# Altium PCB UmSELv1.PcbDoc (part 1 of 2)
Units mm, origin at the board's own origin, x right, y up, seen from the top; angles counter-clockwise.
Board outline 50 x 99.5 mm, 4 copper layers (Top Layer, InternalPlane, Internal1, Bottom Layer), stack 1.435 mm thick; 247 components, 137 nets, 739 pads, 494 vias.
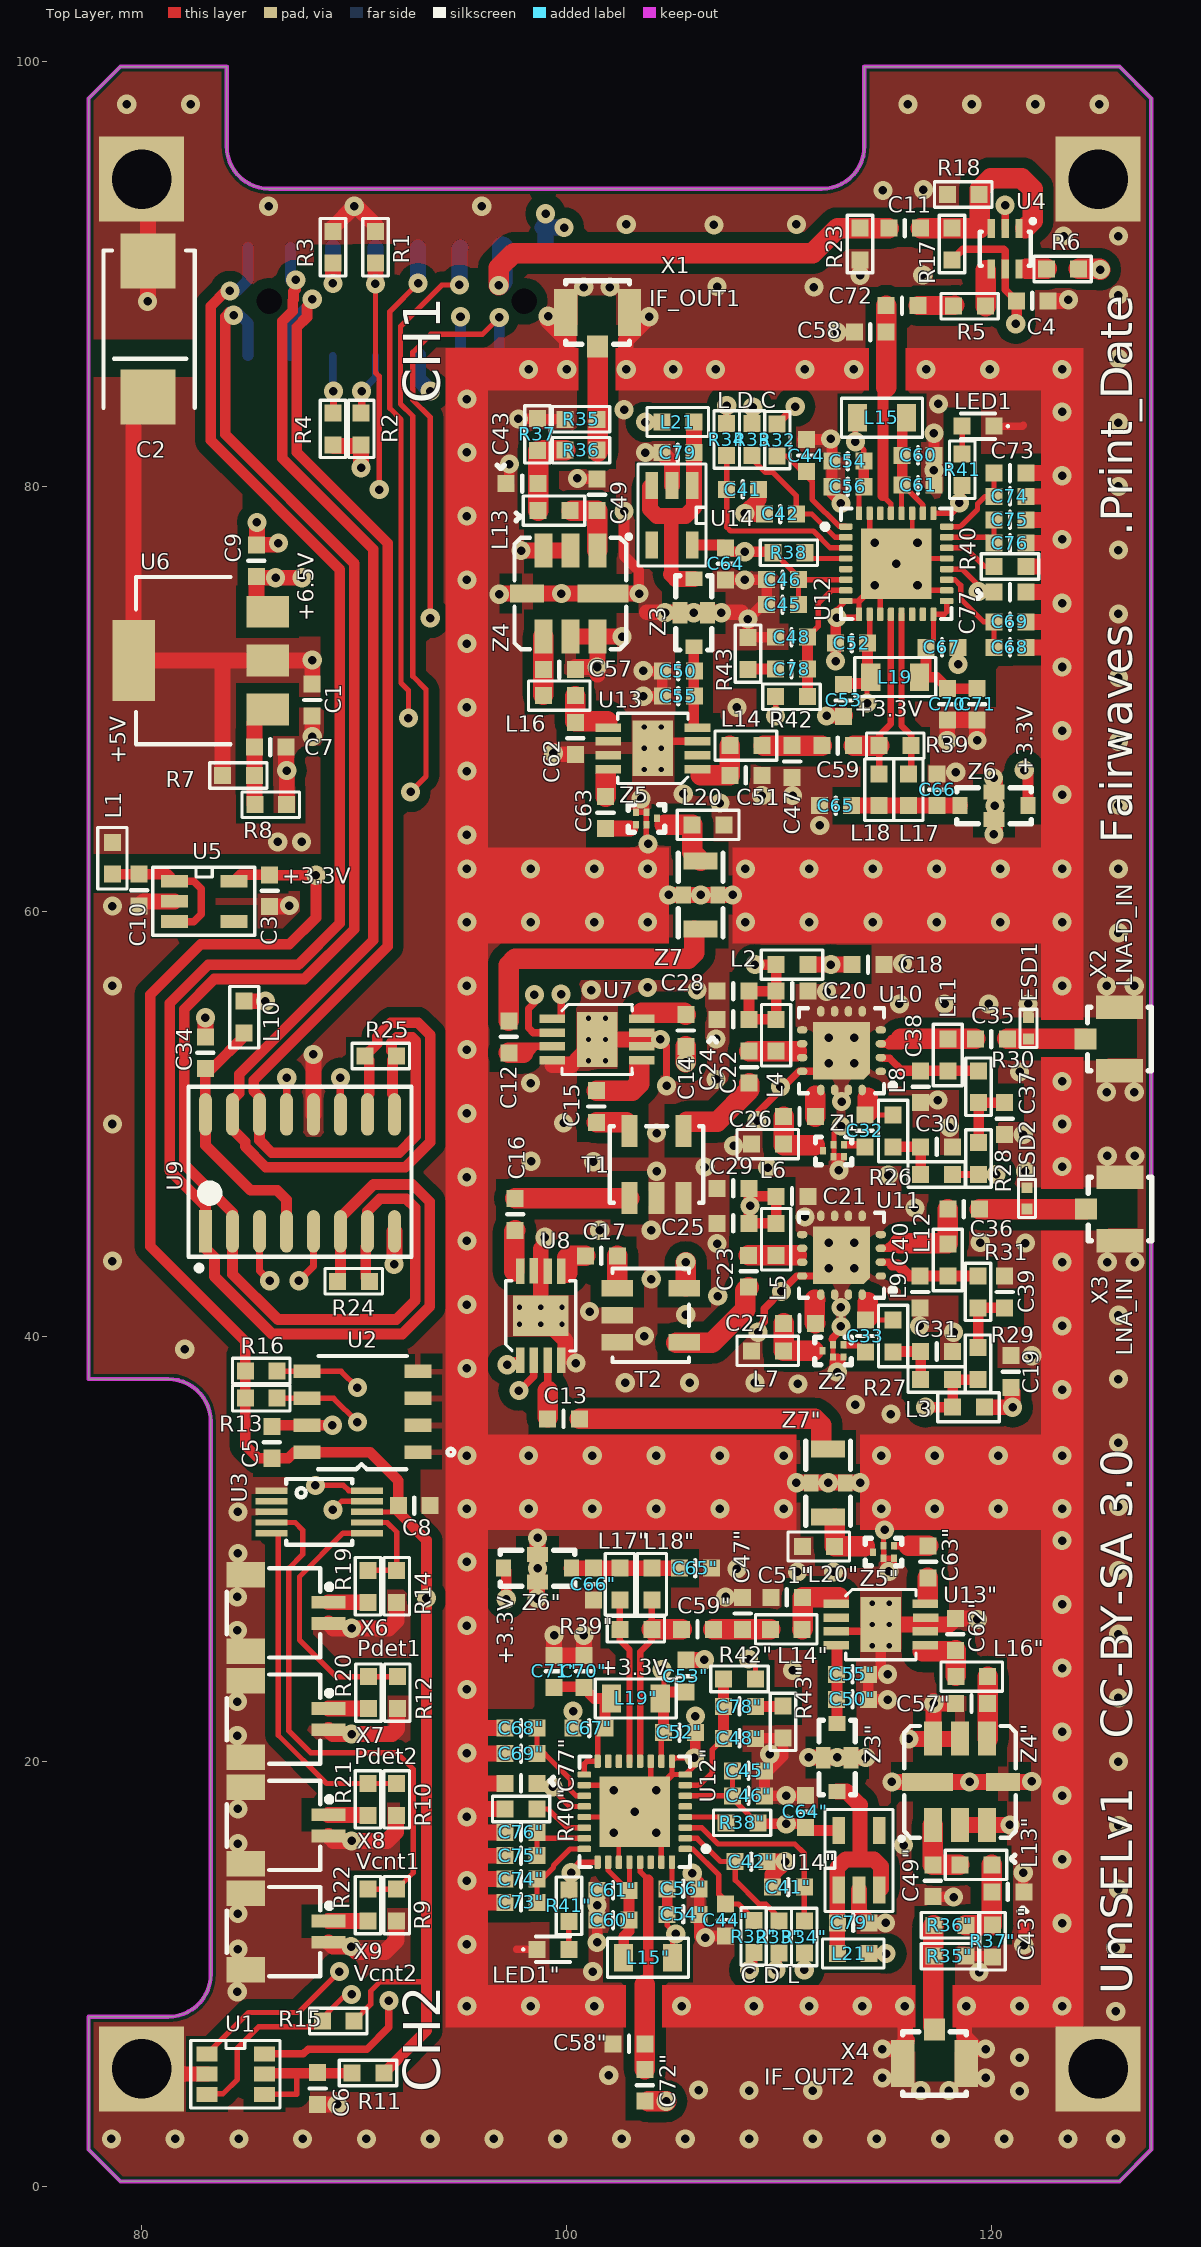
[diagram p0: Top Layer view]
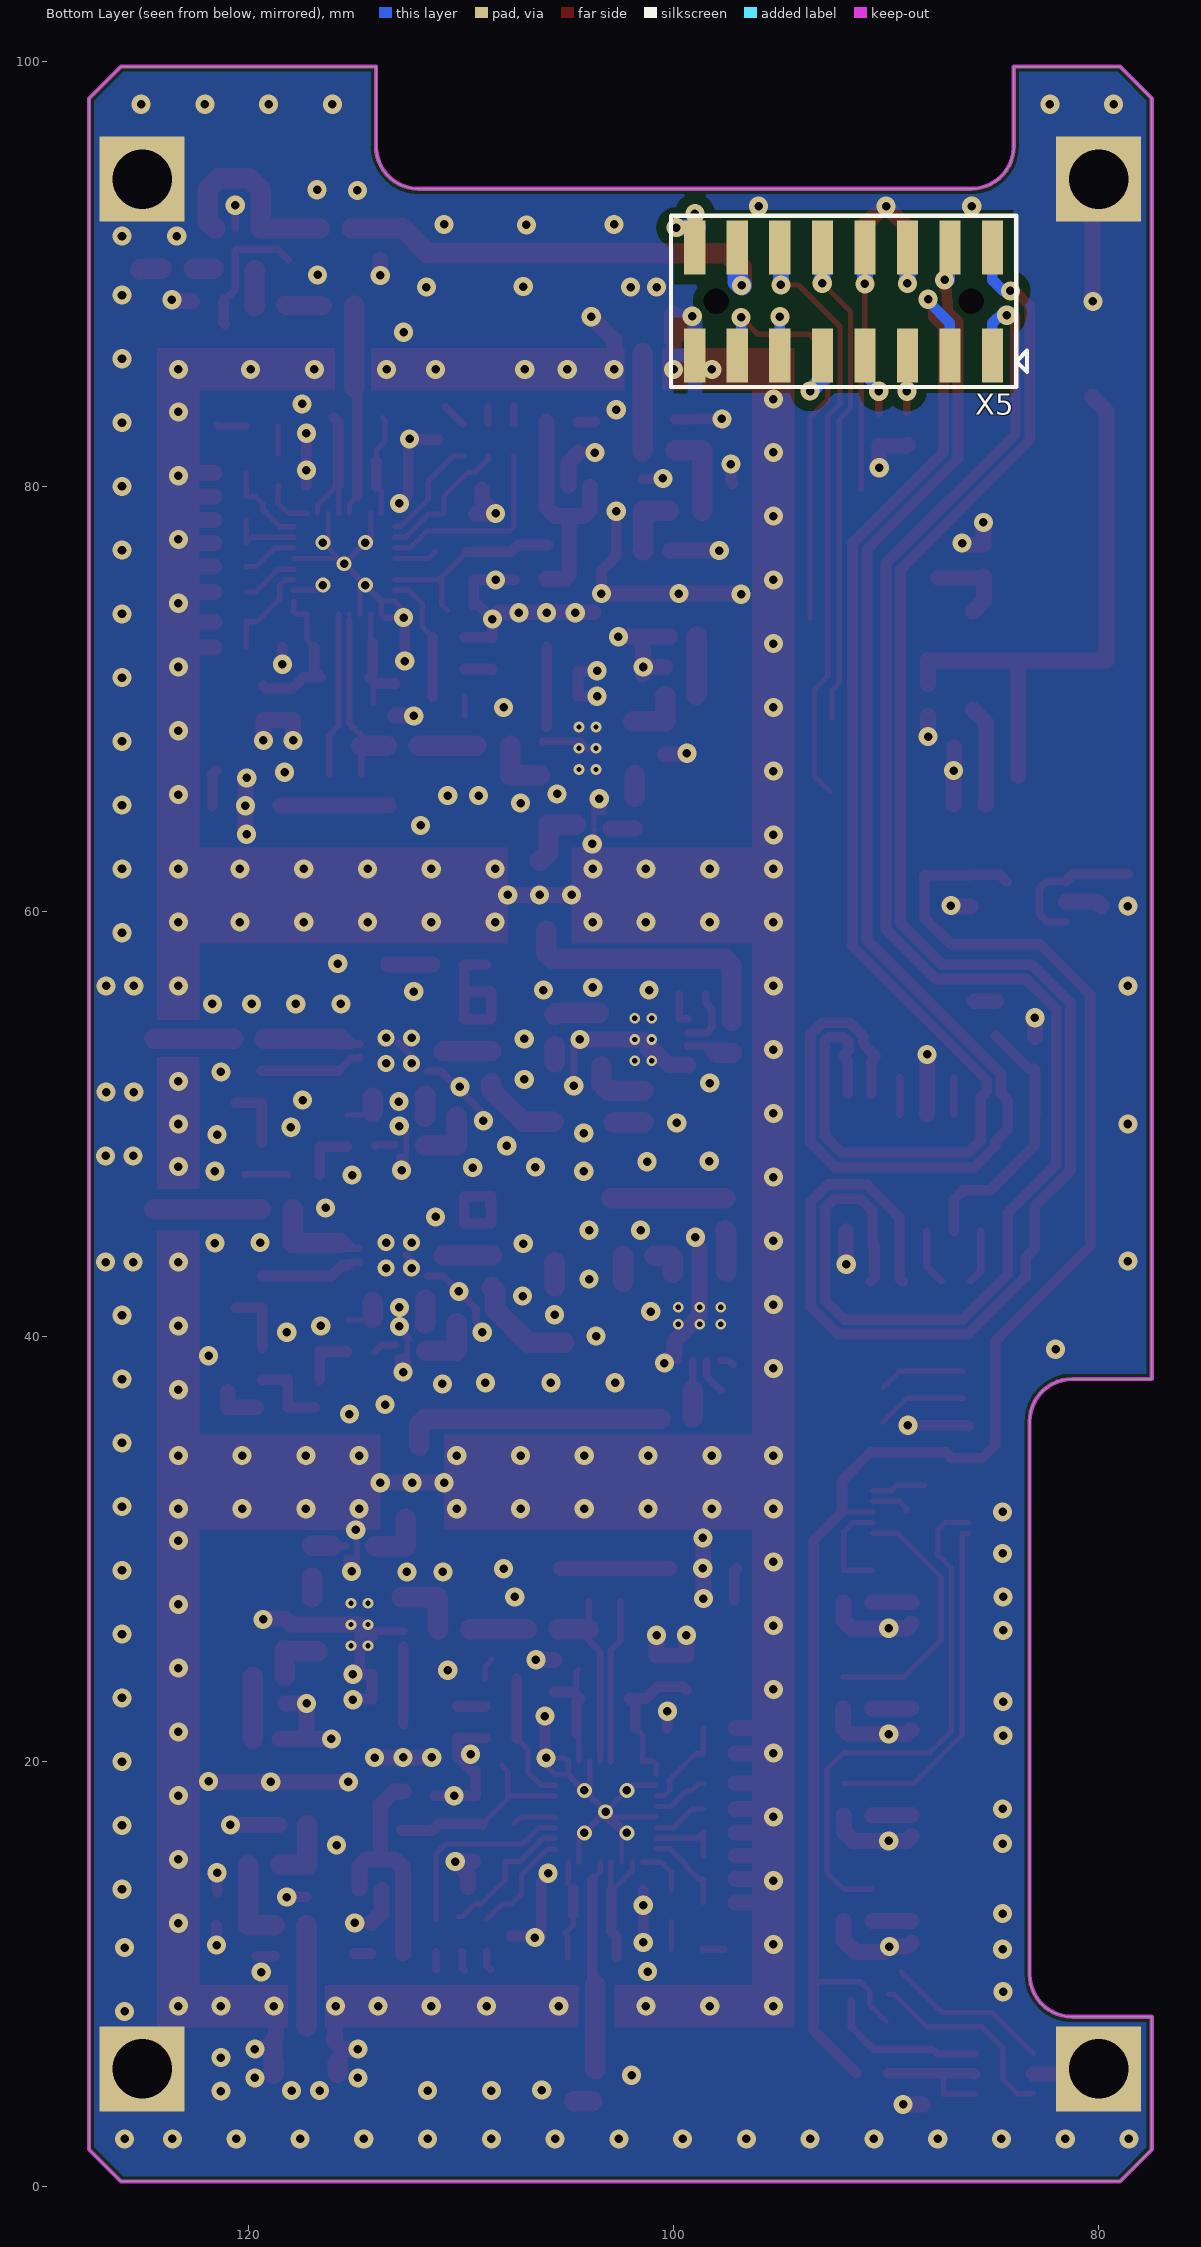
[diagram p1: Bottom Layer view, seen from below]
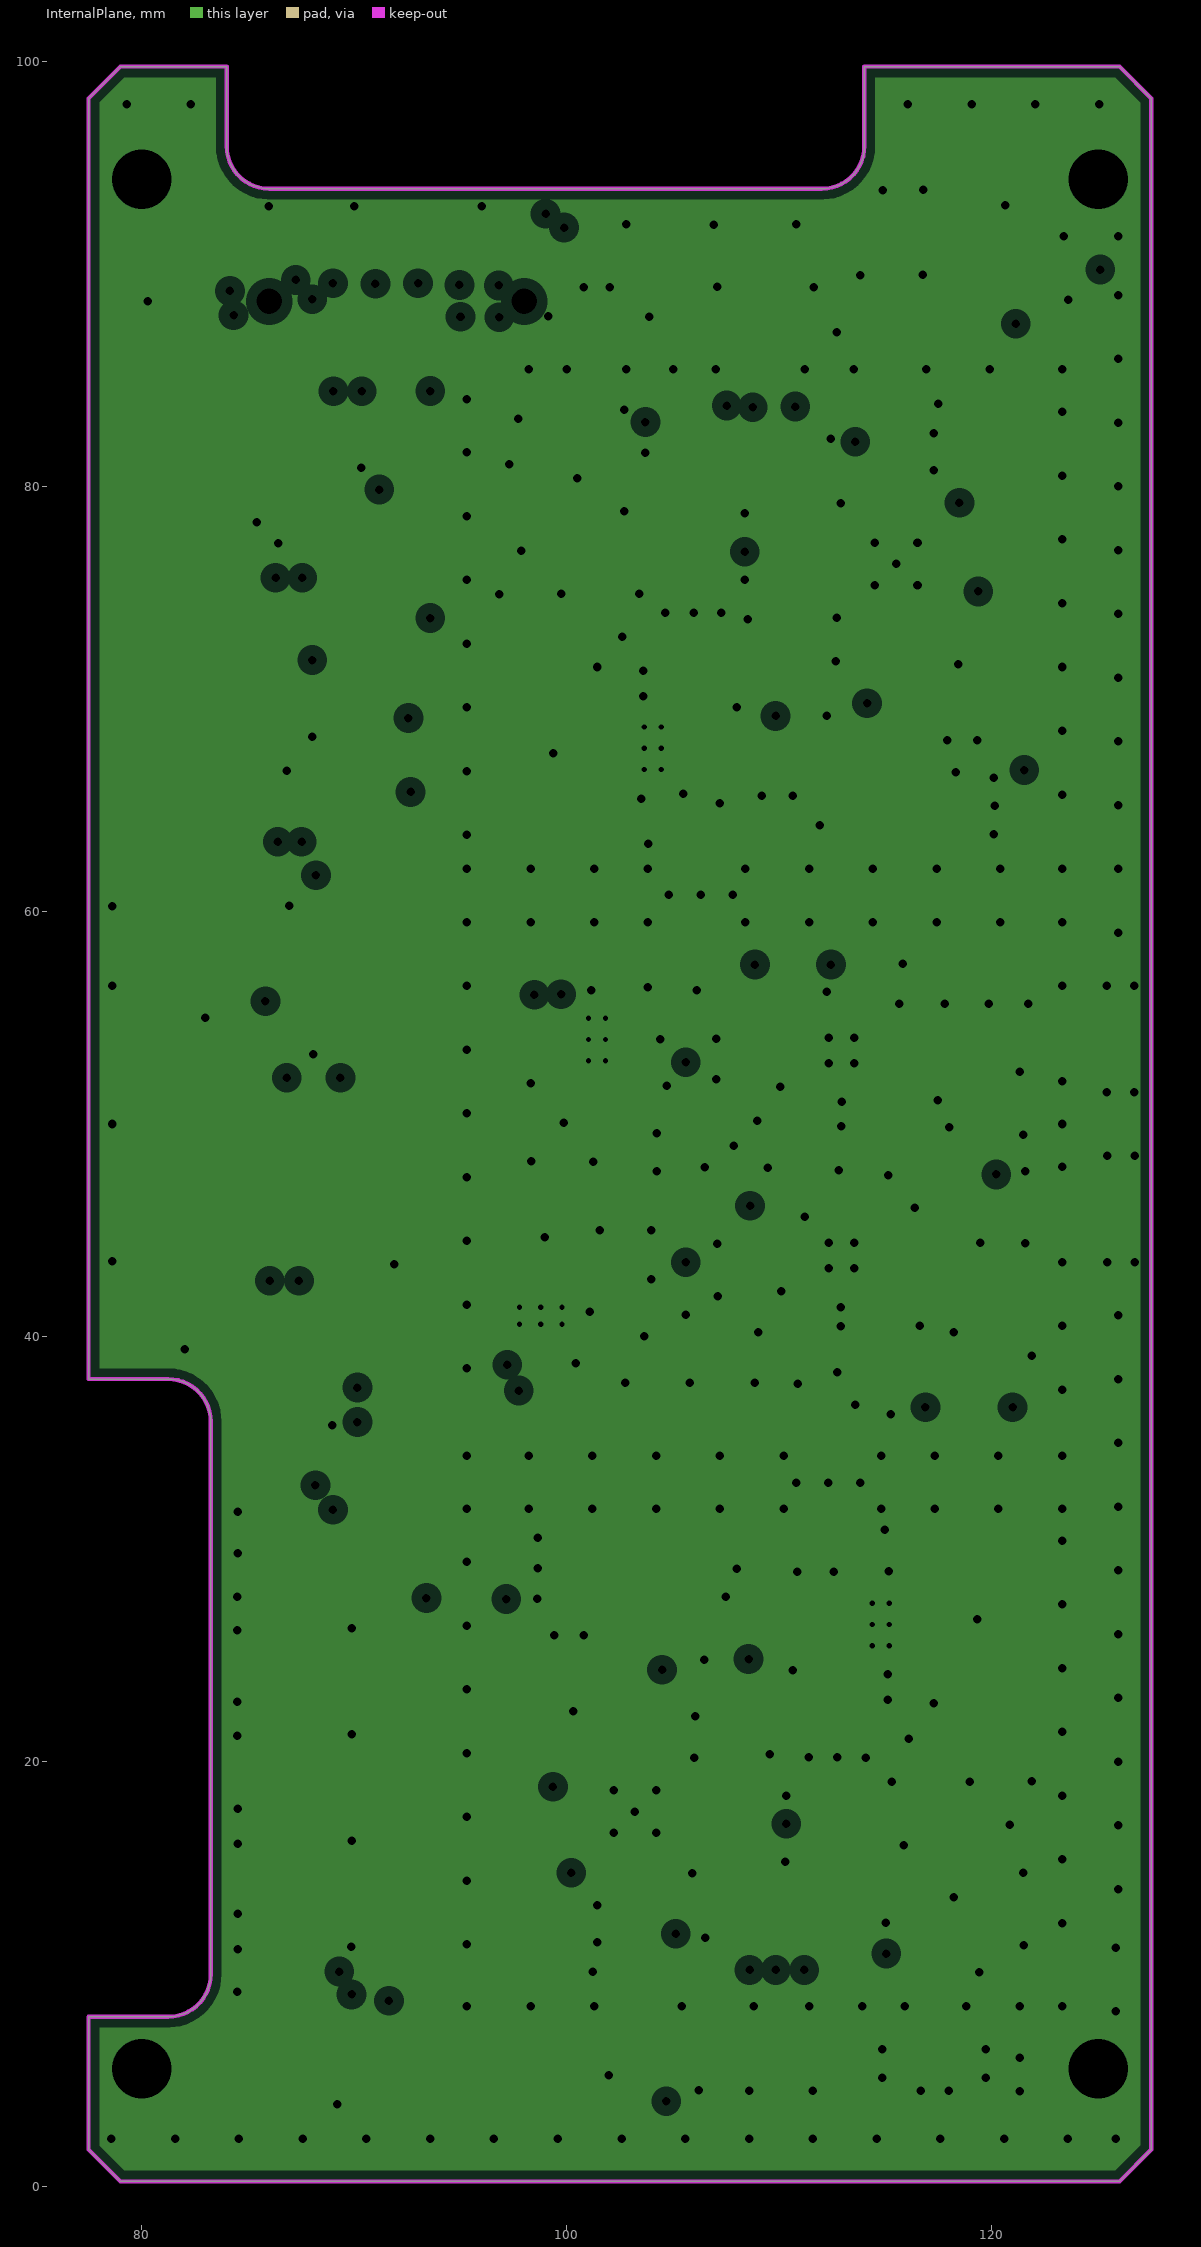
[diagram p2: InternalPlane, clearances drawn from the general rule]
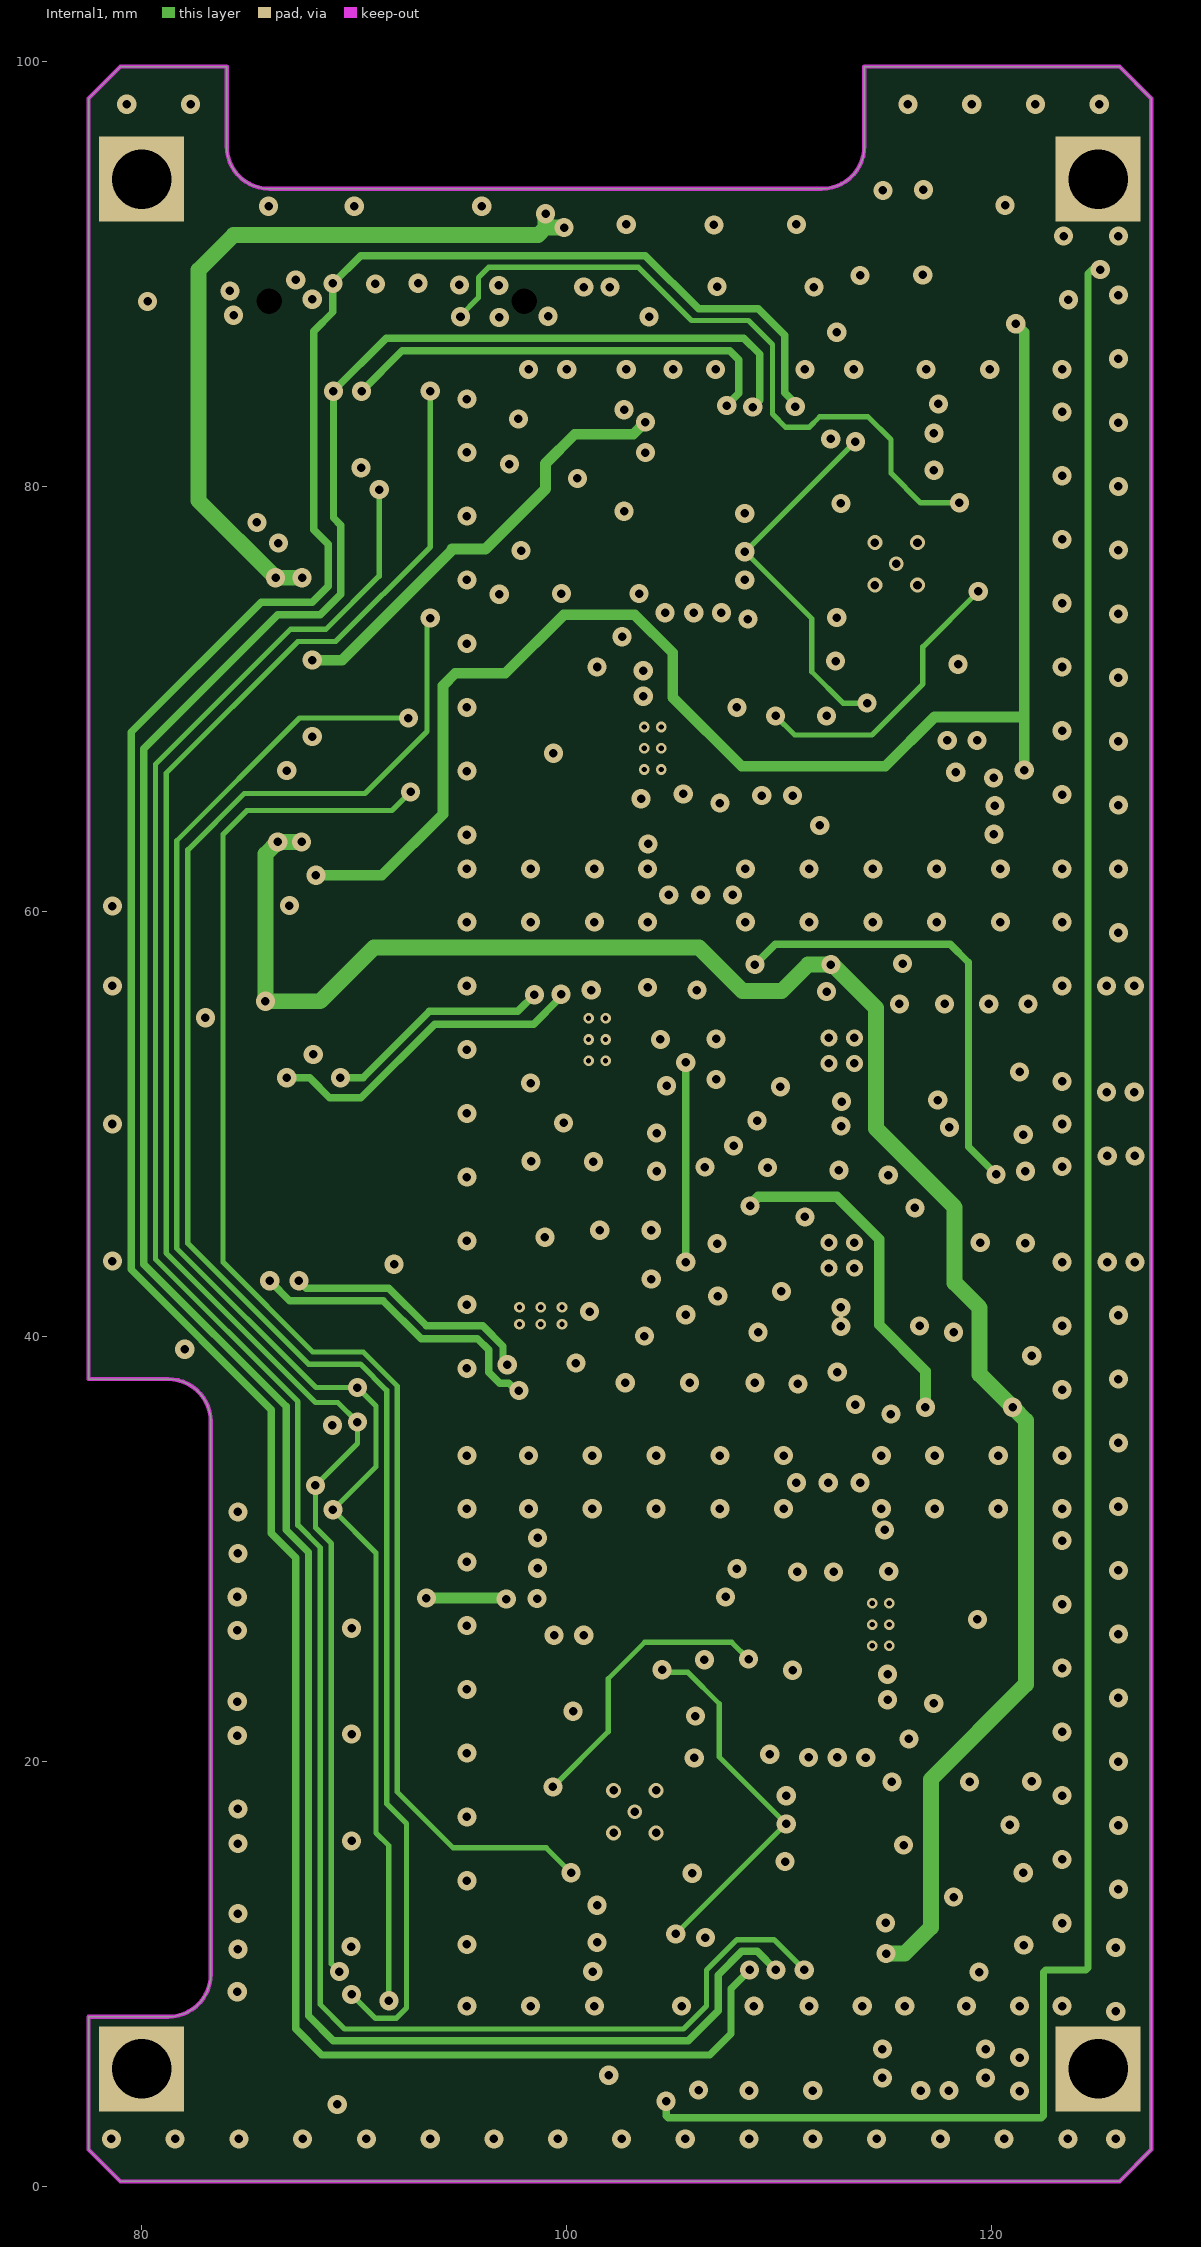
[diagram p3: Internal1]

## Layer stack, top to bottom
Top Layer: signal copper 0.018
Dielectric: core 0.51, FR-4, Dk 4.3
InternalPlane: plane copper 0.0356, net GND
Dielectric: prepreg 0.3078, FR-4, Dk 4.8
Internal1: signal copper 0.0356
Dielectric: core 0.51, FR-4, Dk 4.3
Bottom Layer: signal copper 0.018

## Board outline
77.5,1.75 79,0.25 126,0.25 127.5,1.75 127.5,98.25 126,99.75 114,99.75 114,96 cw(c112,96) 112,94 86,94 cw(c86,96) 84,96 84,99.75 79,99.75 77.5,98.25 77.5,38 81.25,38 cw(c81.25,36) 83.25,36 83.25,10 cw(c81.25,10) 81.25,8 77.5,8

## Design rules (kind name [scope] priority, off if disabled: settings)
Clearance Clearance_5 [All vs OnLayer('Keep-Out Layer')] p1: gap=0.15
Clearance Clearance_3 [HasFootprint('CP-32-2', 'SAW-1.4x1x0.5mm', 'QFN16(4x4/0.65mm) SQ', 'TSSOP-SPDSO-G10')] p2: gap=0.2
Clearance Clearance_2 [OnLayer('Top Layer') and InPoly] p3: gap=0.5
Clearance Clearance_1 [OnLayer('Bottom Layer') and InPoly] p4: gap=0.5
Clearance [All] p5: gap=0.25
ComponentClearance [All] p1 off: gap=0.254 collisioncheckmode=3 verticalgap=0.254 showdistances=FALSE
DiffPairsRouting [All] p1: maxlimit=0.25 minlimit=0.15 mostfreqgap=0.18 maxuncoupledlength=10
FabricationTestPointUsage TestPointUsage [All] p1: valid=0 allowmultiple=FALSE
FabricationTestpoint Testpoint [All] p1: side=3 testpointundercomponent=TRUE minsize=1.016 maxsize=2.54 preferedsize=1.524 minholesize=0 maxholesize=1.016 preferedholesize=0.813 testpointgrid=0.025 allowsidetop=TRUE allowsidebottom=TRUE usegrid=TRUE gridtolerance=0
Height [All] p1 off: minheight=0 maxheight=25.4 prefheight=12.7
HoleSize [All] p1: absolutevalues=TRUE maxlimit=4 minlimit=0.2 maxpercent=80.000 minpercent=20.000
HoleToHoleClearance [All] p1 off: gap=0.5 allowstackedmicrovias=TRUE
Length InNet('DEBUG_CLK_P') [InNetClass('DEBUG')] p1: maxlimit=50 minlimit=48
Length Length_6 [InNetClass('RX1') Or InNetClass('RX2')] p2 off: maxlimit=63.4 minlimit=62.4
Length Length_7 [InNetClass('Debug')] p3 off: maxlimit=62.6 minlimit=61.6
Length Length_5 [InNetClass('TX1') Or InNetClass('TX2')] p4 off: maxlimit=67.6 minlimit=66.6
Length Length_4 [InNet('GMII_RXD0') or InNet('GMII_RXD1') or InNet('GMII_RXD2') or InNet('GMII_RXD3')] p5 off: maxlimit=13.3 minlimit=12.8
Length Length_3 [InNetClass('GMII_RX')] p6 off: maxlimit=13.4 minlimit=12.9
Length Length_2 [InNetClass('GMII_TX')] p7 off: maxlimit=12.8 minlimit=12.3
Length Length_1 [InNetClass('ResArray')] p8 off: maxlimit=5.05 minlimit=4.5
Length [InNetClass('RAM')] p9 off: maxlimit=41.8 minlimit=40.8
MinimumSolderMaskSliver [All] p1: minsoldermaskwidth=0.095
PlaneClearance [All] p1: clearance=0.5
PlaneConnect PlaneConnect_1 [IsVia] p1: planeconnectstyle=Direct reliefexpansion=0.508 reliefentries=4 reliefconductorwidth=0.254 reliefairgap=0.254
PlaneConnect [InNet('GND')] p2: planeconnectstyle=Relief reliefexpansion=0.5 reliefentries=4 reliefconductorwidth=0.5 reliefairgap=0.25
PlaneConnect PlaneConnect_2 [All] p3: planeconnectstyle=Relief reliefexpansion=0.508 reliefentries=4 reliefconductorwidth=0.254 reliefairgap=0.254
PolygonConnect PolygonConnect_1 [IsVia] p1: connectstyle=Direct reliefconductorwidth=0.254 reliefentries=4 polygonreliefangle="90 Angle"
PolygonConnect PolygonConnect_4 [InComponent('Z*')] p2: connectstyle=Relief reliefconductorwidth=0.5 reliefentries=4 polygonreliefangle="90 Angle"
PolygonConnect PolygonConnect_3 [OnLayer('Top Layer') and (HasFootprint('CP-32-2', 'SOIC8', 'SOIC8 - BackGND - 0.4mm dia'))] p3: connectstyle=Relief reliefconductorwidth=0.254 reliefentries=4 polygonreliefangle="90 Angle"
PolygonConnect PolygonConnect_2 [(InComponent('X5*'))] p4: connectstyle=Relief reliefconductorwidth=0.7 reliefentries=4 polygonreliefangle="90 Angle"
PolygonConnect PolygonConnect_5 [HasPad('Free-0')] p5: connectstyle=Direct reliefconductorwidth=0.254 reliefentries=4 polygonreliefangle="90 Angle"
PolygonConnect [All] p6: connectstyle=Direct reliefconductorwidth=0.5 reliefentries=4 polygonreliefangle="90 Angle"
RoomDefinition "\"" [InComponentClass('"')] p1: confinementstyle=ConfineIn formatcopy=TRUE lockcomponents=FALSE outline 93.85,1.5 124.925,1.5 124.925,38.175 93.85,38.175
RoomDefinition IF_SEL [InComponentClass('IF_SEL')] p2: confinementstyle=ConfineIn formatcopy=TRUE lockcomponents=FALSE outline 94.2,56.35 125.25,56.35 125.25,94.7 94.2,94.7
RoutingVias [All] p1: holewidth=0.5 width=0.9 viastyle="Through Hole" minholewidth=0.2 minwidth=0.5 maxholewidth=0.8 maxwidth=1.2
SilkToSilkClearance [All] p1: silktosilkclearance=0.1
SilkscreenOverComponentPads [All] p1: minsilkscreentomaskgap=0.1
SolderMaskExpansion [All] p1: expansion=0.075
Width Width_1 [IsDifferentialPair] p1: maxlimit=0.5 minlimit=0.2 preferedwidth=0.5
Width [All] p2: maxlimit=2 minlimit=0.2 preferedwidth=0.25
16 further rules are at their usual default settings.

## Classes and differential pairs
component class IF_SEL: C41 C42 C43 C44 C45 C46 C47 C48 C49 C50 C51 C52 C53 C54 C55 C56 C57 C58 C59 C60 C61 C62 C63 C64 C65 C66 C67 C68 C69 C69-1 C70 C70-1 C71 C72 C73 C74 C75 C76 C77 C78 C79 L13 L14 L15 L16 L17 L18 L19 L20 L21 LED1 R32 R33 R34 R35 R35-1 R36 R37 R38 R39 R40 R41 R42 R43 U12 U13 U14 Z1-1 Z3 Z4 Z5 Z6 Z7
component class "\"": "C41\"" "C42\"" "C43\"" "C44\"" "C45\"" "C46\"" "C47\"" "C48\"" "C49\"" "C50\"" "C51\"" "C52\"" "C53\"" "C54\"" "C55\"" "C56\"" "C57\"" "C58\"" "C59\"" "C60\"" "C61\"" "C62\"" "C63\"" "C64\"" "C65\"" "C66\"" "C67\"" "C68\"" "C69\"" C69-2 "C70\"" C70-2 "C71\"" "C72\"" C72B "C73\"" C73B "C74\"" C74B "C75\"" C75B "C76\"" C76B "C77\"" C77B "C78\"" C78B "C79\"" C79B C80B C81B "L13\"" "L14\"" "L15\"" "L16\"" "L17\"" "L18\"" L18B "L19\"" L19B "L20\"" L20B "L21\"" L21B LD-2 "LED1\"" "R32\"" "R33\"" "R34\"" "R35\"" R35-2 "R36\"" "R37\"" "R38\"" "R39\"" "R40\"" "R41\"" "R42\"" "R43\"" U11-2 "U12\"" "U13\"" "U14\"" Z1-1 "Z3\"" "Z4\"" "Z5\"" "Z6\"" "Z7\"" Z7B Z8B
component class LNA_DIV: C12 C13 C14 C15 C16 C17 C18 C19 C20 C21 C22 C23 C24 C25 C26 C27 C28 C29 C30 C31 C32 C33 C34 C35 C36 C37 C38 C39 C40 ESD1 ESD2 L2 L3 L4 L5 L6 L7 L8 L9 L10 L11 L12 R24 R25 R26 R27 R28 R29 R30 R31 T1 T2 U7 U8 U9 U10 U11 Z1 Z2
component class Misc: C1 C2 C3 C4 C5 C6 C7 C8 C9 C10 C11 L1 R1 R2 R3 R4 R5 R6 R7 R8 R9 R10 R11 R12 R13 R14 R15 R16 R17 R18 R19 R20 R21 R22 R23 U1 U2 U3 U4 U5 U6 X5 X6 X7 X8 X9
component class Total: X1 X2 X3 X4
channel class IF_SEL: Ch1 Ch2
differential pair DIVSW2: +DIVSW2_P -DIVSW2_N
differential pair DIVSW1: +DIVSW1_P -DIVSW1_N
differential pair LO: +LO_P -LO_N
differential pair "LO\"": +"LO\"_P" -"LO\"_N"
